# Altium PCB pokey.PcbDoc (part 1 of 4)
Units mil, origin at the board's own origin, x right, y up, seen from the top; angles counter-clockwise.
Board outline 14208.66 x 3708.66 mil, 4 copper layers (Top Layer, Mid-Layer 1, Mid-Layer 2, Bottom Layer), stack 61.2 mil thick; 385 components, 209 nets, 1413 pads, 947 vias.
Unrouted connection lines stored in the file: 121.
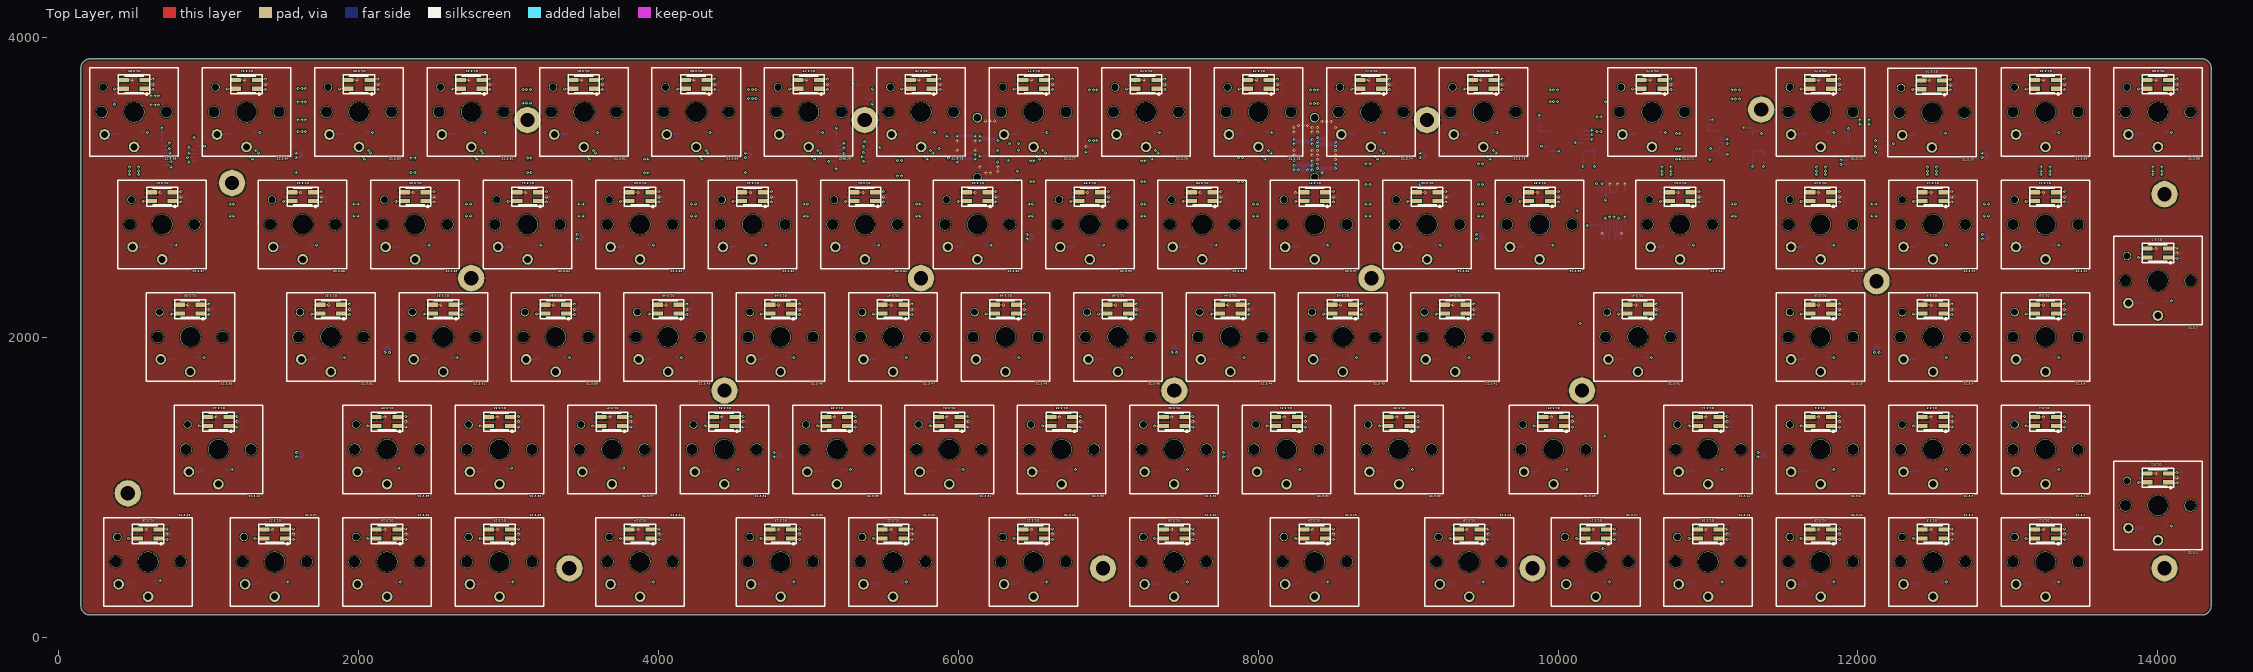
[diagram p0: Top Layer view]
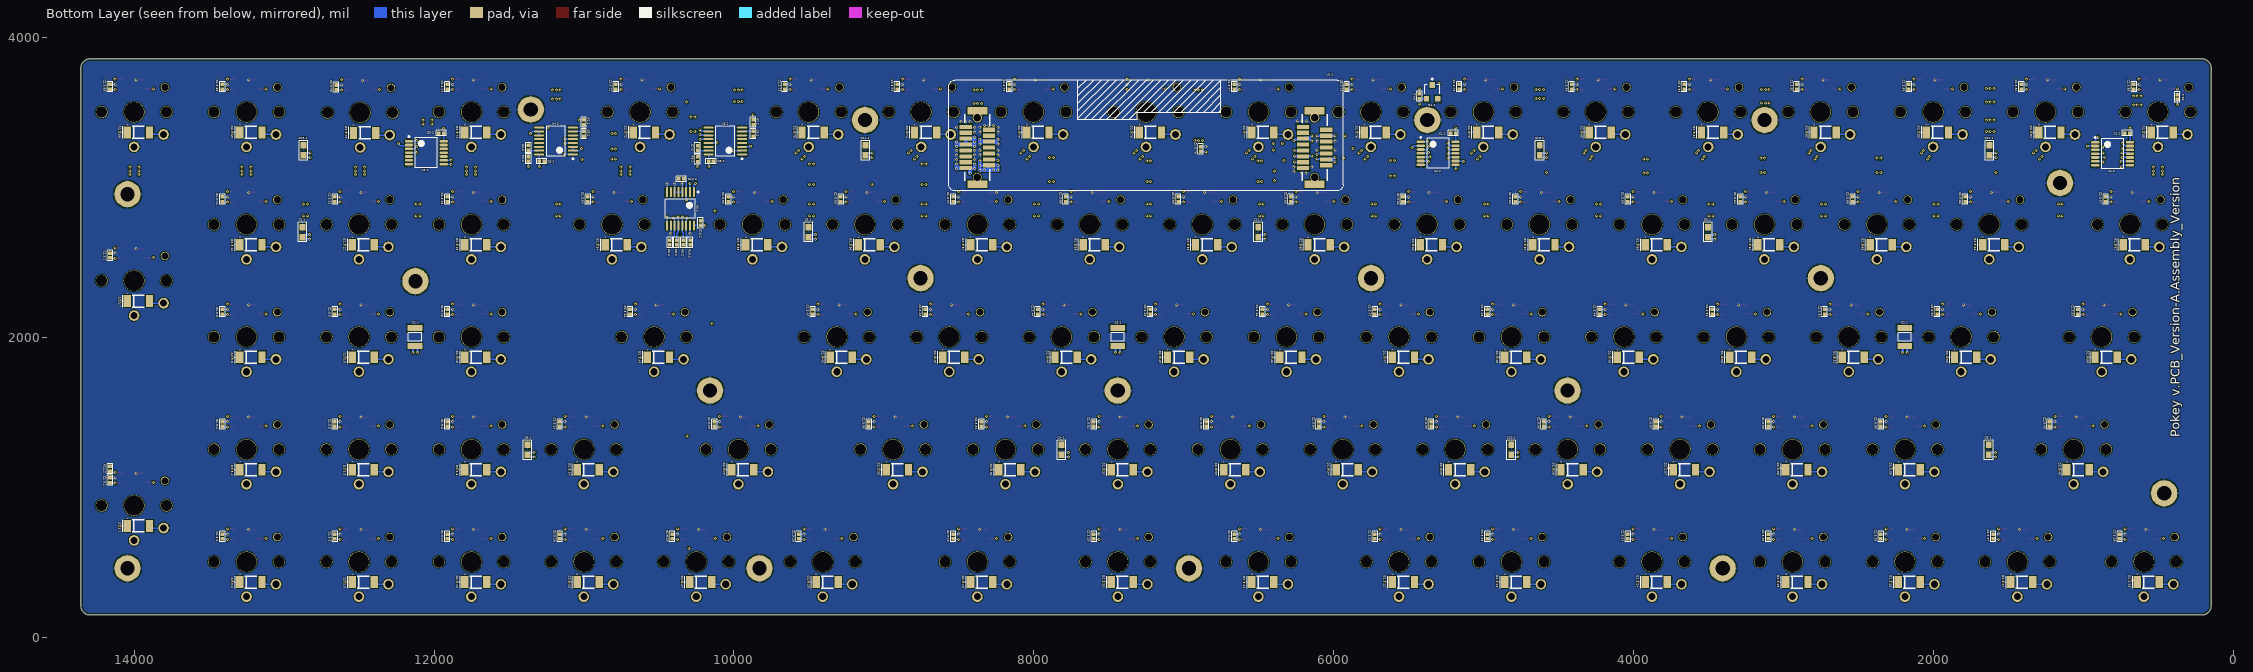
[diagram p1: Bottom Layer view, seen from below]
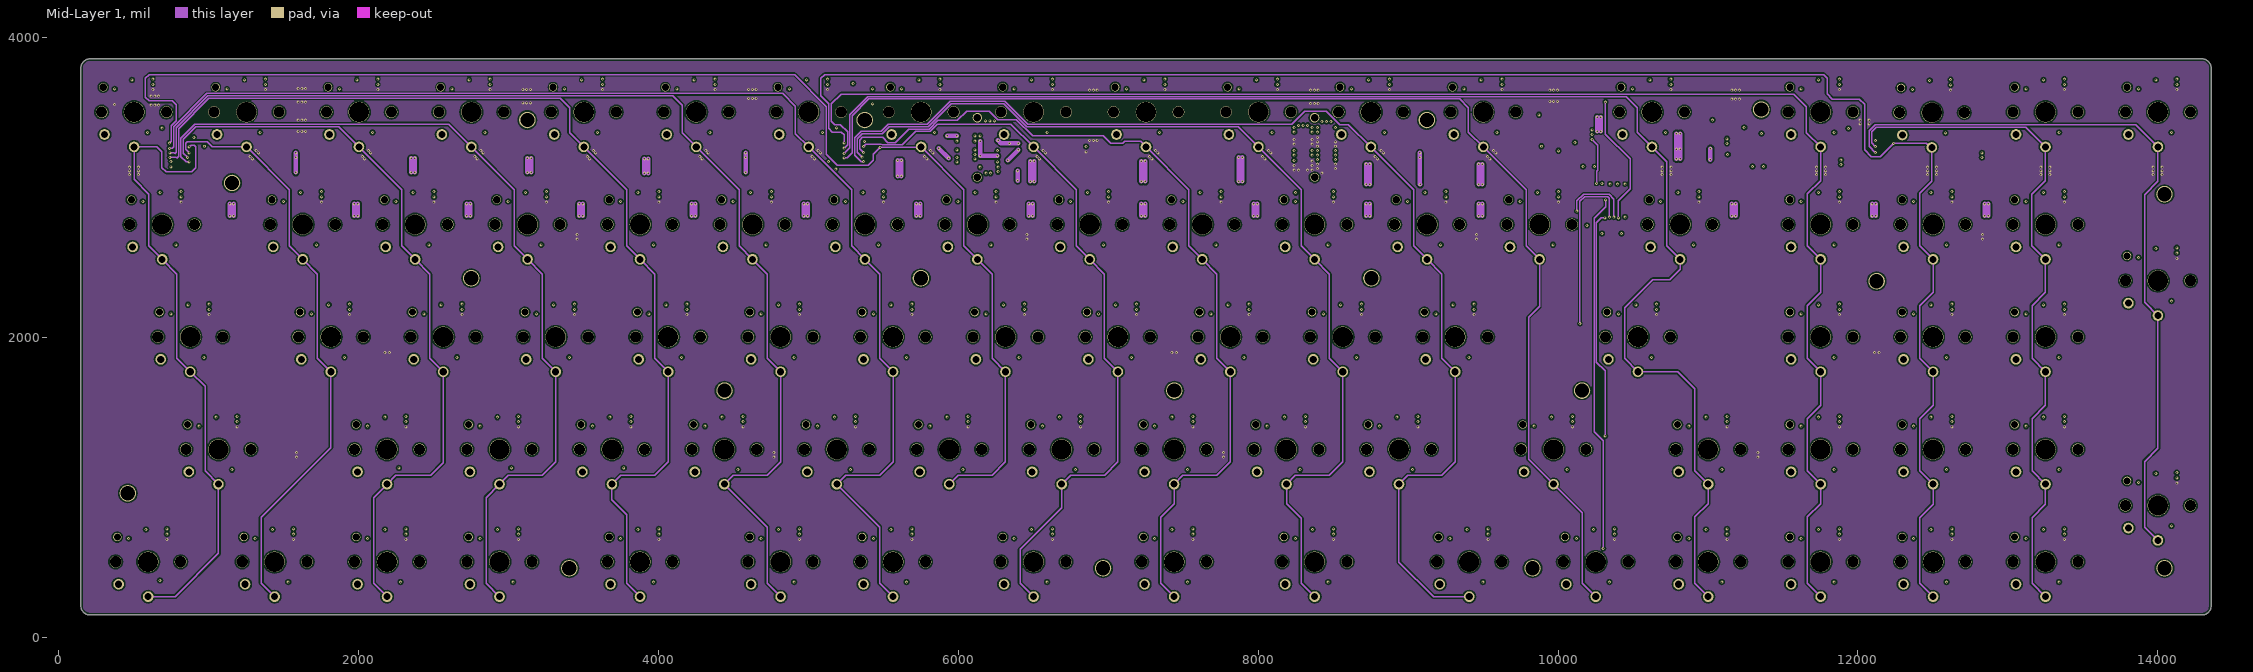
[diagram p2: Mid-Layer 1]
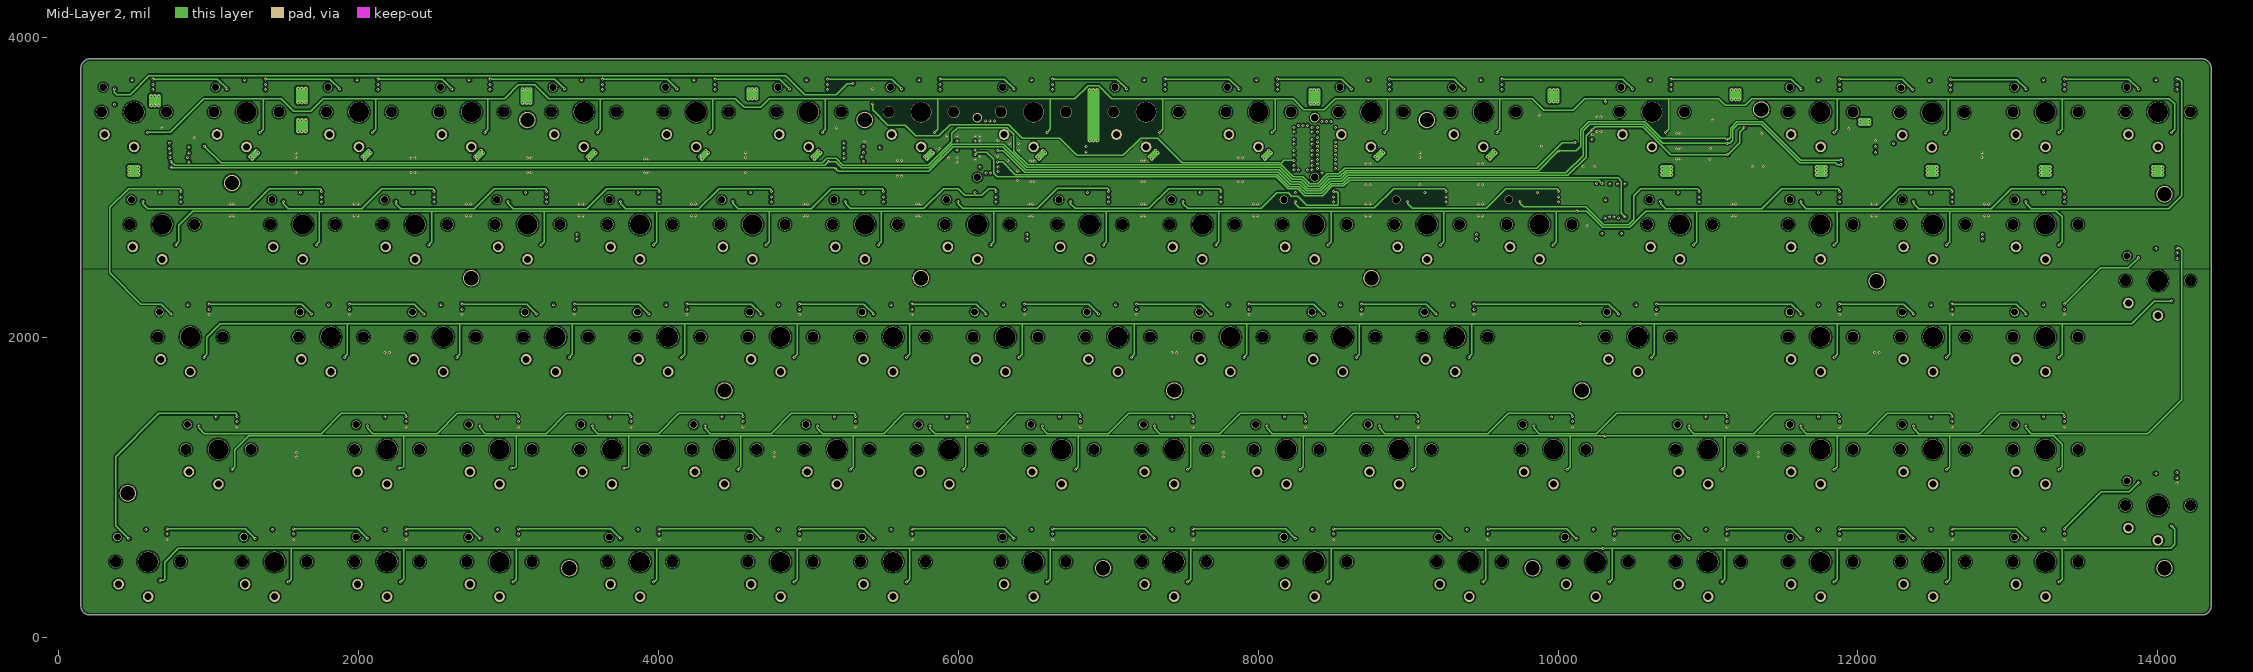
[diagram p3: Mid-Layer 2]

## Layer stack, top to bottom
Top Solder: solder mask 0.4, Solder Resist, Dk 3.5
Top Layer: signal copper 1.4
Dielectric 1: core 25.3, FR-4, Dk 4.2
Mid-Layer 1: signal copper 1.4
Dielectric2: prepreg 5, FR-4, Dk 4.2
Mid-Layer 2: signal copper 1.4
Dielectric3: core 25.3, FR-4, Dk 4.2
Bottom Layer: signal copper 1.4
Bottom Solder: solder mask 0.4, Solder Resist, Dk 3.5

## Board outline
206.14,148.66 cw(c206.14,207.72) 147.08,207.72 147.08,3798.27 cw(c206.14,3798.27) 206.14,3857.32 14296.69,3857.32 cw(c14296.69,3798.27) 14355.74,3798.27 14355.74,225.11 14355.69,225.06 14355.69,207.72 cw(c14296.64,207.72) 14296.64,148.66

## Design rules (kind name [scope] priority, off if disabled: settings)
AssemblyTestPointUsage [NetPinCount > 1] p1: allowmultiple=TRUE
AssemblyTestpoint "AssemblyTestpoint Via Top" [(IsVia) and (SolderMaskTentingTop = 'False') and (SolderMaskTentingBottom = 'True')] p1: testpointundercomponent=FALSE minsize=16 maxsize=500 preferedsize=60 minholesize=0 maxholesize=500 preferedholesize=32 testpointgrid=1 usegrid=FALSE gridtolerance=0.01 allowsidetop=TRUE
AssemblyTestpoint "AssemblyTestpoint Via Bottom" [(IsVia) and (SolderMaskTentingBottom = 'False') and (SolderMaskTentingTop = 'True')] p2: testpointundercomponent=FALSE minsize=16 maxsize=500 preferedsize=60 minholesize=0 maxholesize=500 preferedholesize=32 testpointgrid=1 usegrid=FALSE gridtolerance=0.01 allowsidebottom=TRUE
AssemblyTestpoint "AssemblyTestpoint Via Both" [(IsVia) and (SolderMaskTentingBottom = 'False') and (SolderMaskTentingTop = 'False')] p3: testpointundercomponent=FALSE minsize=16 maxsize=500 preferedsize=60 minholesize=0 maxholesize=500 preferedholesize=32 testpointgrid=1 usegrid=FALSE gridtolerance=0.01 allowsidetop=TRUE allowsidebottom=TRUE
AssemblyTestpoint "AssemblyTestpoint Pad" [(IsPad And (OnTopLayer Or OnBottomLayer)) Or (IsPad And OnMultiLayer)] p4: testpointundercomponent=TRUE minsize=20 maxsize=10000 preferedsize=60 minholesize=0 maxholesize=500 preferedholesize=32 testpointgrid=1 usegrid=FALSE gridtolerance=0.01 allowsidetop=TRUE allowsidebottom=TRUE
AssemblyTestpoint [All] p5: testpointundercomponent=FALSE minsize=0 maxsize=5000 preferedsize=60 minholesize=0 maxholesize=5000 preferedholesize=32 testpointgrid=1 usegrid=FALSE gridtolerance=0.01 allowsidetop=TRUE allowsidebottom=TRUE
BoardOutlineClearance "Silk BoardOutlineClearance" [OnLayer('Top Overlay') or OnLayer('Bottom Overlay')] p1: gap=5 ignorepadtopadclearanceinfootprint=FALSE
BoardOutlineClearance [All] p2: gap=10 ignorepadtopadclearanceinfootprint=FALSE except(15: Poly-OutlineEdge Poly-CavityEdge Poly-CutoutEdge Poly-SplitBarrior Poly-SplitContinuation)
Clearance "Board Edge Clearance" [IsElectrical vs IsBoardOutline] p1: gap=15 ignorepadtopadclearanceinfootprint=FALSE
Clearance "Outer Layer Polygon Clearance" [InPolygon and (ontop or OnBottom)] p2: gap=6 ignorepadtopadclearanceinfootprint=FALSE
Clearance "Other Polygon Clearance" [InPolygon] p3: gap=10 ignorepadtopadclearanceinfootprint=FALSE
Clearance "Fiducial Clearance" [InComponent('M7.1') or InComponent('M1.1')  or InComponent('M2.1')   or InComponent('M3.1')    or InComponent('M4.1')     or InComponent('M5.1')      or InComponent('M6.1')] p4: gap=0 ignorepadtopadclearanceinfootprint=FALSE
Clearance Clearance_1 [All] p5: gap=6 ignorepadtopadclearanceinfootprint=FALSE
ComponentClearance [OnTop vs OnTop] p1: gap=10 collisioncheckmode=3 verticalgap=100000 showdistances=FALSE
ComponentClearance ComponentClearance_1 [OnBottom vs OnBottom] p2: gap=10 collisioncheckmode=3 verticalgap=100000 showdistances=FALSE
DiffPairsRouting [All] p1: maxlimit=30 minlimit=5 mostfreqgap=5 toplayer_minwidth=5 toplayer_maxwidth=100 toplayer_prefwidth=15 midlayer1_minwidth=5 midlayer1_maxwidth=100 midlayer1_prefwidth=15 midlayer2_minwidth=5 midlayer2_maxwidth=100 midlayer2_prefwidth=15 bottomlayer_minwidth=5 bottomlayer_maxwidth=100 bottomlayer_prefwidth=15 maxuncoupledlength=500
FabricationTestPointUsage [NetPinCount > 1] p1 off: valid=0 allowmultiple=TRUE
FabricationTestpoint [All] p1: side=3 testpointundercomponent=TRUE minsize=12 maxsize=10000 preferedsize=30 minholesize=0 maxholesize=200 preferedholesize=32 testpointgrid=1 allowsidetop=TRUE allowsidebottom=TRUE usegrid=FALSE gridtolerance=0.01
HoleSize [All] p1: absolutevalues=TRUE maxlimit=250 minlimit=1 maxpercent=80.000 minpercent=20.000
MinimumSolderMaskSliver [All] p1: minsoldermaskwidth=0
PasteMaskExpansion [All] p1: expansion=-2
PermittedLayers [All] p1: toplayerpermitted=TRUE bottomlayerpermitted=TRUE
PlaneClearance [All] p1: clearance=10
PlaneConnect [All] p1: planeconnectstyle=Direct reliefexpansion=20 reliefentries=4 reliefconductorwidth=10 reliefairgap=10
PolygonConnect "Via Connect" [All vs IsVia] p1: connectstyle=Direct reliefconductorwidth=10 reliefentries=4 polygonreliefangle="90 Angle" airgapwidth=10
PolygonConnect "Pad Connect" [IsPad] p2: thpad.connectstyle=Relief thpad.reliefconductorwidth=15 thpad.reliefentries=4 thpad.polygonreliefangle="90 Angle" thpad.airgapwidth=10 smdpad.connectstyle=Relief smdpad.reliefconductorwidth=10 smdpad.reliefentries=4 smdpad.polygonreliefangle="90 Angle" smdpad.airgapwidth=10 via.connectstyle=Direct via.reliefconductorwidth=10 via.reliefentries=4 via.polygonreliefangle="90 Angle" via.airgapwidth=10
RoomDefinition U120 [InComponentClass('U120')] p1: confinementstyle=ConfineIn formatcopy=FALSE lockcomponents=FALSE outline 7125,187.5 7750,187.5 7750,817.5 7125,817.5
RoomDefinition U119 [InComponentClass('U119')] p2: confinementstyle=ConfineIn formatcopy=FALSE lockcomponents=FALSE outline 8062.5,187.5 8687.5,187.5 8687.5,817.5 8062.5,817.5
RoomDefinition U118 [InComponentClass('U118')] p3: confinementstyle=ConfineIn formatcopy=FALSE lockcomponents=FALSE outline 9093.75,187.5 9718.75,187.5 9718.75,817.5 9093.75,817.5
RoomDefinition U176 [InComponentClass('U176')] p4: confinementstyle=ConfineIn formatcopy=FALSE lockcomponents=FALSE outline 6860,3187.5 7562.5,3187.5 7562.5,3817.5 6860,3817.5
RoomDefinition U178 [InComponentClass('U178')] p5: confinementstyle=ConfineIn formatcopy=FALSE lockcomponents=FALSE outline 5437.5,3187.5 6062.5,3187.5 6062.5,3817.5 5437.5,3817.5
RoomDefinition U177 [InComponentClass('U177')] p6: confinementstyle=ConfineIn formatcopy=FALSE lockcomponents=FALSE outline 6187.5,3187.5 6812.5,3187.5 6812.5,3817.5 6187.5,3817.5
RoomDefinition U185 [InComponentClass('U185')] p7: confinementstyle=ConfineIn formatcopy=FALSE lockcomponents=FALSE outline 187.5,3187.5 812.5,3187.5 812.5,3817.5 187.5,3817.5
RoomDefinition U184 [InComponentClass('U184')] p8: confinementstyle=ConfineIn formatcopy=FALSE lockcomponents=FALSE outline 937.5,3187.5 1562.5,3187.5 1562.5,3817.5 937.5,3817.5
RoomDefinition U183 [InComponentClass('U183')] p9: confinementstyle=ConfineIn formatcopy=FALSE lockcomponents=FALSE outline 1687.5,3187.5 2312.5,3187.5 2312.5,3817.5 1687.5,3817.5
RoomDefinition U182 [InComponentClass('U182')] p10: confinementstyle=ConfineIn formatcopy=FALSE lockcomponents=FALSE outline 2437.5,3187.5 3062.5,3187.5 3062.5,3817.5 2437.5,3817.5
RoomDefinition U181 [InComponentClass('U181')] p11: confinementstyle=ConfineIn formatcopy=FALSE lockcomponents=FALSE outline 3187.5,3187.5 3812.5,3187.5 3812.5,3817.5 3187.5,3817.5
RoomDefinition U180 [InComponentClass('U180')] p12: confinementstyle=ConfineIn formatcopy=FALSE lockcomponents=FALSE outline 3937.5,3187.5 4562.5,3187.5 4562.5,3817.5 3937.5,3817.5
RoomDefinition U179 [InComponentClass('U179')] p13: confinementstyle=ConfineIn formatcopy=FALSE lockcomponents=FALSE outline 4687.5,3187.5 5312.5,3187.5 5312.5,3817.5 4687.5,3817.5
RoomDefinition U175 [InComponentClass('U175')] p14: confinementstyle=ConfineIn formatcopy=FALSE lockcomponents=FALSE outline 7687.5,3187.5 8312.5,3187.5 8312.5,3817.5 7687.5,3817.5
RoomDefinition U174 [InComponentClass('U174')] p15: confinementstyle=ConfineIn formatcopy=FALSE lockcomponents=FALSE outline 8437.5,3187.5 9062.5,3187.5 9062.5,3817.5 8437.5,3817.5
RoomDefinition U173 [InComponentClass('U173')] p16: confinementstyle=ConfineIn formatcopy=FALSE lockcomponents=FALSE outline 9187.5,3187.5 9812.5,3187.5 9812.5,3817.5 9187.5,3817.5
RoomDefinition U172 [InComponentClass('U172')] p17: confinementstyle=ConfineIn formatcopy=FALSE lockcomponents=FALSE outline 10312.5,3187.5 10937.5,3187.5 10937.5,3817.5 10312.5,3817.5
RoomDefinition U171 [InComponentClass('U171')] p18: confinementstyle=ConfineIn formatcopy=FALSE lockcomponents=FALSE outline 11437.5,3187.5 12062.5,3187.5 12062.5,3817.5 11437.5,3817.5
RoomDefinition U170 [InComponentClass('U170')] p19: confinementstyle=ConfineIn formatcopy=FALSE lockcomponents=FALSE outline 12179.29,3183.68 12804.29,3183.68 12804.29,3813.68 12179.29,3813.68
RoomDefinition U169 [InComponentClass('U169')] p20: confinementstyle=ConfineIn formatcopy=FALSE lockcomponents=FALSE outline 12937.5,3187.5 13562.5,3187.5 13562.5,3817.5 12937.5,3817.5
RoomDefinition U168 [InComponentClass('U168')] p21: confinementstyle=ConfineIn formatcopy=FALSE lockcomponents=FALSE outline 13687.5,3187.5 14312.5,3187.5 14312.5,3817.5 13687.5,3817.5
RoomDefinition U167 [InComponentClass('U167')] p22: confinementstyle=ConfineIn formatcopy=TRUE lockcomponents=FALSE outline 375,2437.5 1000,2437.5 1000,3067.5 375,3067.5
RoomDefinition U166 [InComponentClass('U166')] p23: confinementstyle=ConfineIn formatcopy=TRUE lockcomponents=FALSE outline 1312.5,2437.5 1937.5,2437.5 1937.5,3067.5 1312.5,3067.5
RoomDefinition U165 [InComponentClass('U165')] p24: confinementstyle=ConfineIn formatcopy=TRUE lockcomponents=FALSE outline 2062.5,2437.5 2687.5,2437.5 2687.5,3067.5 2062.5,3067.5
RoomDefinition U164 [InComponentClass('U164')] p25: confinementstyle=ConfineIn formatcopy=TRUE lockcomponents=FALSE outline 2812.5,2437.5 3437.5,2437.5 3437.5,3067.5 2812.5,3067.5
RoomDefinition U163 [InComponentClass('U163')] p26: confinementstyle=ConfineIn formatcopy=TRUE lockcomponents=FALSE outline 3562.5,2437.5 4187.5,2437.5 4187.5,3067.5 3562.5,3067.5
RoomDefinition U162 [InComponentClass('U162')] p27: confinementstyle=ConfineIn formatcopy=TRUE lockcomponents=FALSE outline 4312.5,2437.5 4937.5,2437.5 4937.5,3067.5 4312.5,3067.5
RoomDefinition U161 [InComponentClass('U161')] p28: confinementstyle=ConfineIn formatcopy=TRUE lockcomponents=FALSE outline 5062.5,2437.5 5687.5,2437.5 5687.5,3067.5 5062.5,3067.5
RoomDefinition U160 [InComponentClass('U160')] p29: confinementstyle=ConfineIn formatcopy=TRUE lockcomponents=FALSE outline 5812.5,2437.5 6437.5,2437.5 6437.5,3067.5 5812.5,3067.5
RoomDefinition U159 [InComponentClass('U159')] p30: confinementstyle=ConfineIn formatcopy=TRUE lockcomponents=FALSE outline 6562.5,2437.5 7187.5,2437.5 7187.5,3067.5 6562.5,3067.5
RoomDefinition U158 [InComponentClass('U158')] p31: confinementstyle=ConfineIn formatcopy=TRUE lockcomponents=FALSE outline 7312.5,2437.5 7937.5,2437.5 7937.5,3067.5 7312.5,3067.5
RoomDefinition U157 [InComponentClass('U157')] p32: confinementstyle=ConfineIn formatcopy=TRUE lockcomponents=FALSE outline 8062.5,2437.5 8687.5,2437.5 8687.5,3067.5 8062.5,3067.5
RoomDefinition U156 [InComponentClass('U156')] p33: confinementstyle=ConfineIn formatcopy=TRUE lockcomponents=FALSE outline 8812.5,2437.5 9437.5,2437.5 9437.5,3067.5 8812.5,3067.5
RoomDefinition U155 [InComponentClass('U155')] p34: confinementstyle=ConfineIn formatcopy=TRUE lockcomponents=FALSE outline 9562.5,2437.5 10187.5,2437.5 10187.5,3067.5 9562.5,3067.5
RoomDefinition U154 [InComponentClass('U154')] p35: confinementstyle=ConfineIn formatcopy=FALSE lockcomponents=FALSE outline 10500,2437.5 11125,2437.5 11125,3067.5 10500,3067.5
RoomDefinition U153 [InComponentClass('U153')] p36: confinementstyle=ConfineIn formatcopy=FALSE lockcomponents=FALSE outline 562.5,1687.5 1187.5,1687.5 1187.5,2317.5 562.5,2317.5
RoomDefinition U152 [InComponentClass('U152')] p37: confinementstyle=ConfineIn formatcopy=FALSE lockcomponents=FALSE outline 1500,1687.5 2125,1687.5 2125,2317.5 1500,2317.5
RoomDefinition U151 [InComponentClass('U151')] p38: confinementstyle=ConfineIn formatcopy=FALSE lockcomponents=FALSE outline 2250,1687.5 2875,1687.5 2875,2317.5 2250,2317.5
RoomDefinition U150 [InComponentClass('U150')] p39: confinementstyle=ConfineIn formatcopy=FALSE lockcomponents=FALSE outline 3000,1687.5 3625,1687.5 3625,2317.5 3000,2317.5
RoomDefinition U149 [InComponentClass('U149')] p40: confinementstyle=ConfineIn formatcopy=FALSE lockcomponents=FALSE outline 3750,1687.5 4375,1687.5 4375,2317.5 3750,2317.5
RoomDefinition U148 [InComponentClass('U148')] p41: confinementstyle=ConfineIn formatcopy=FALSE lockcomponents=FALSE outline 4500,1687.5 5125,1687.5 5125,2317.5 4500,2317.5
RoomDefinition U147 [InComponentClass('U147')] p42: confinementstyle=ConfineIn formatcopy=FALSE lockcomponents=FALSE outline 5250,1687.5 5875,1687.5 5875,2317.5 5250,2317.5
RoomDefinition U146 [InComponentClass('U146')] p43: confinementstyle=ConfineIn formatcopy=FALSE lockcomponents=FALSE outline 6000,1687.5 6625,1687.5 6625,2317.5 6000,2317.5
RoomDefinition U145 [InComponentClass('U145')] p44: confinementstyle=ConfineIn formatcopy=FALSE lockcomponents=FALSE outline 6750,1687.5 7375,1687.5 7375,2317.5 6750,2317.5
RoomDefinition U144 [InComponentClass('U144')] p45: confinementstyle=ConfineIn formatcopy=FALSE lockcomponents=FALSE outline 7500,1687.5 8125,1687.5 8125,2317.5 7500,2317.5
RoomDefinition U143 [InComponentClass('U143')] p46: confinementstyle=ConfineIn formatcopy=FALSE lockcomponents=FALSE outline 8250,1687.5 8875,1687.5 8875,2317.5 8250,2317.5
RoomDefinition U142 [InComponentClass('U142')] p47: confinementstyle=ConfineIn formatcopy=FALSE lockcomponents=FALSE outline 9000,1687.5 9625,1687.5 9625,2317.5 9000,2317.5
RoomDefinition U141 [InComponentClass('U141')] p48: confinementstyle=ConfineIn formatcopy=FALSE lockcomponents=FALSE outline 10218.75,1687.5 10843.75,1687.5 10843.75,2317.5 10218.75,2317.5
RoomDefinition U140 [InComponentClass('U140')] p49: confinementstyle=ConfineIn formatcopy=TRUE lockcomponents=FALSE outline 750,937.5 1375,937.5 1375,1567.5 750,1567.5
RoomDefinition U139 [InComponentClass('U139')] p50: confinementstyle=ConfineIn formatcopy=TRUE lockcomponents=FALSE outline 1875,937.5 2500,937.5 2500,1567.5 1875,1567.5
RoomDefinition U138 [InComponentClass('U138')] p51: confinementstyle=ConfineIn formatcopy=TRUE lockcomponents=FALSE outline 2625,937.5 3250,937.5 3250,1567.5 2625,1567.5
RoomDefinition U137 [InComponentClass('U137')] p52: confinementstyle=ConfineIn formatcopy=TRUE lockcomponents=FALSE outline 3375,937.5 4000,937.5 4000,1567.5 3375,1567.5
RoomDefinition U136 [InComponentClass('U136')] p53: confinementstyle=ConfineIn formatcopy=TRUE lockcomponents=FALSE outline 4125,937.5 4750,937.5 4750,1567.5 4125,1567.5
RoomDefinition U135 [InComponentClass('U135')] p54: confinementstyle=ConfineIn formatcopy=TRUE lockcomponents=FALSE outline 4875,937.5 5500,937.5 5500,1567.5 4875,1567.5
RoomDefinition U134 [InComponentClass('U134')] p55: confinementstyle=ConfineIn formatcopy=TRUE lockcomponents=FALSE outline 5625,937.5 6250,937.5 6250,1567.5 5625,1567.5
RoomDefinition U133 [InComponentClass('U133')] p56: confinementstyle=ConfineIn formatcopy=TRUE lockcomponents=FALSE outline 6375,937.5 7000,937.5 7000,1567.5 6375,1567.5
RoomDefinition U132 [InComponentClass('U132')] p57: confinementstyle=ConfineIn formatcopy=TRUE lockcomponents=FALSE outline 7125,937.5 7750,937.5 7750,1567.5 7125,1567.5
RoomDefinition U131 [InComponentClass('U131')] p58: confinementstyle=ConfineIn formatcopy=TRUE lockcomponents=FALSE outline 7875,937.5 8500,937.5 8500,1567.5 7875,1567.5
RoomDefinition U130 [InComponentClass('U130')] p59: confinementstyle=ConfineIn formatcopy=TRUE lockcomponents=FALSE outline 8625,937.5 9250,937.5 9250,1567.5 8625,1567.5
RoomDefinition U129 [InComponentClass('U129')] p60: confinementstyle=ConfineIn formatcopy=TRUE lockcomponents=FALSE outline 9656.25,937.5 10281.25,937.5 10281.25,1567.5 9656.25,1567.5
RoomDefinition U128 [InComponentClass('U128')] p61: confinementstyle=ConfineIn formatcopy=FALSE lockcomponents=FALSE outline 281.25,187.5 906.25,187.5 906.25,817.5 281.25,817.5
RoomDefinition U127 [InComponentClass('U127')] p62: confinementstyle=ConfineIn formatcopy=FALSE lockcomponents=FALSE outline 1125,187.5 1750,187.5 1750,817.5 1125,817.5
RoomDefinition U126 [InComponentClass('U126')] p63: confinementstyle=ConfineIn formatcopy=FALSE lockcomponents=FALSE outline 1875,187.5 2500,187.5 2500,817.5 1875,817.5
RoomDefinition U125 [InComponentClass('U125')] p64: confinementstyle=ConfineIn formatcopy=FALSE lockcomponents=FALSE outline 2625,187.5 3250,187.5 3250,817.5 2625,817.5
RoomDefinition U124 [InComponentClass('U124')] p65: confinementstyle=ConfineIn formatcopy=FALSE lockcomponents=FALSE outline 3562.5,187.5 4187.5,187.5 4187.5,817.5 3562.5,817.5
RoomDefinition U123 [InComponentClass('U123')] p66: confinementstyle=ConfineIn formatcopy=FALSE lockcomponents=FALSE outline 4500,187.5 5125,187.5 5125,817.5 4500,817.5
RoomDefinition U122 [InComponentClass('U122')] p67: confinementstyle=ConfineIn formatcopy=FALSE lockcomponents=FALSE outline 5250,187.5 5875,187.5 5875,817.5 5250,817.5
RoomDefinition U121 [InComponentClass('U121')] p68: confinementstyle=ConfineIn formatcopy=FALSE lockcomponents=FALSE outline 6187.5,187.5 6812.5,187.5 6812.5,817.5 6187.5,817.5
RoomDefinition U117 [InComponentClass('U117')] p69: confinementstyle=ConfineIn formatcopy=FALSE lockcomponents=FALSE outline 9937.5,187.5 10562.5,187.5 10562.5,817.5 9937.5,817.5
RoomDefinition U116 [InComponentClass('U116')] p70: confinementstyle=ConfineIn formatcopy=FALSE lockcomponents=FALSE outline 10687.5,187.5 11312.5,187.5 11312.5,817.5 10687.5,817.5